# Altium PCB CYAN_EVSE_Logic_board_v1.2.PcbDoc
Units mil, origin at the board's own origin, x right, y up, seen from the top; angles counter-clockwise.
Board outline 2637.8 x 4976.38 mil, 4 copper layers (Top Layer, Layer 1, Layer 2, Bottom Layer), stack 23.756 mil thick; 139 components, 96 nets, 445 pads, 186 vias.
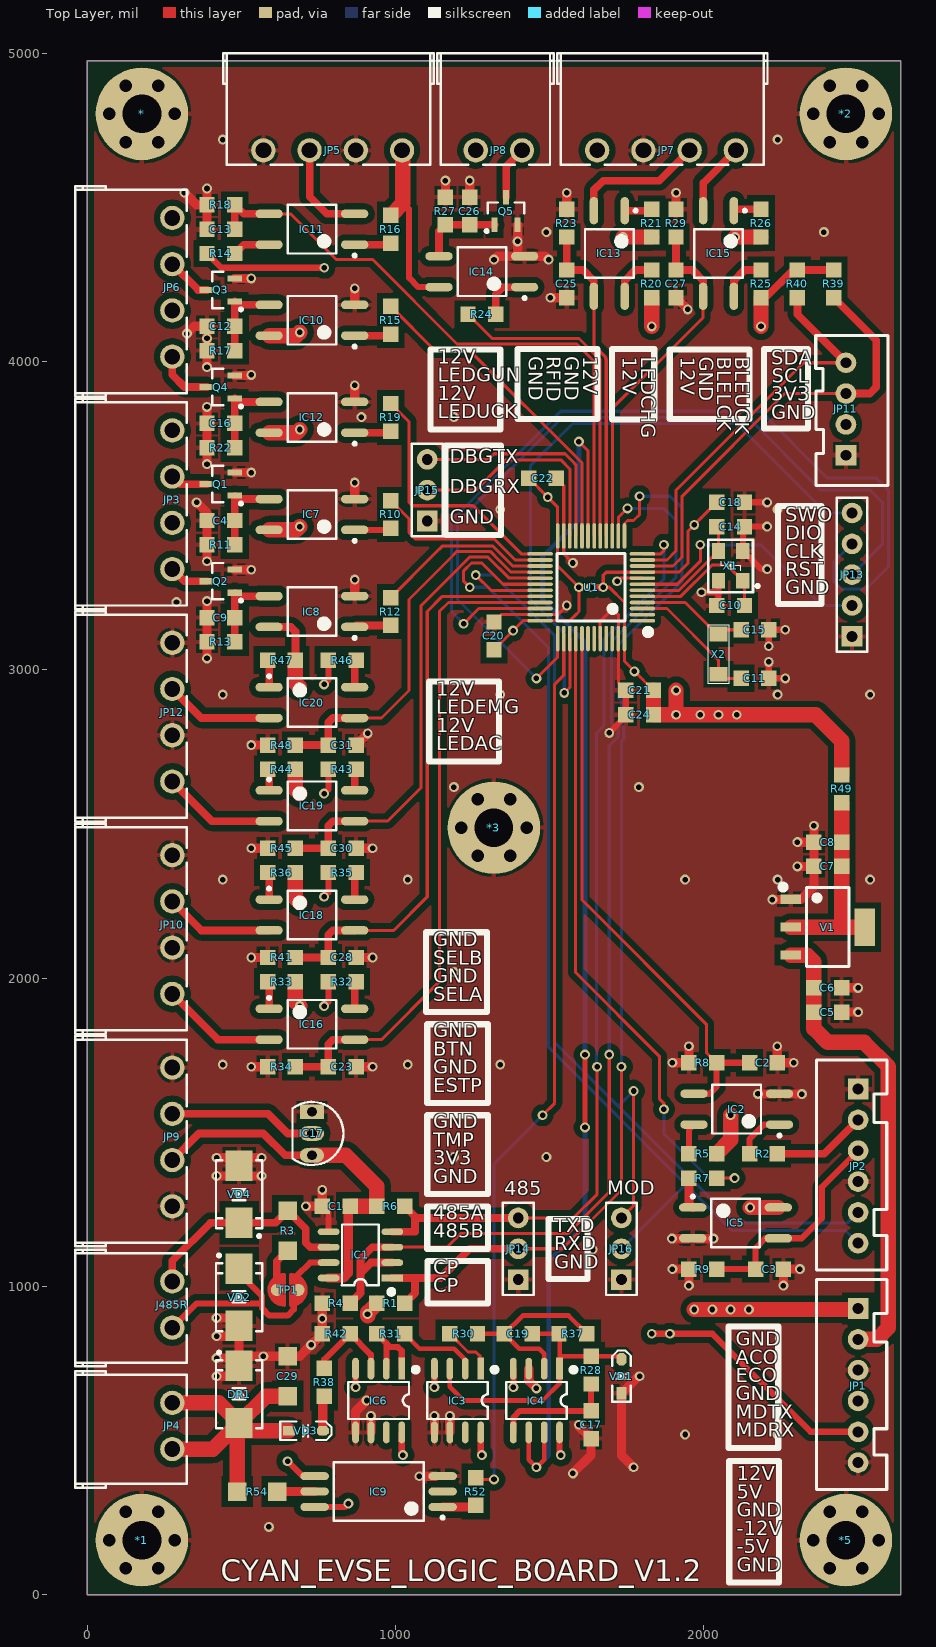
[diagram p0: Top Layer view]
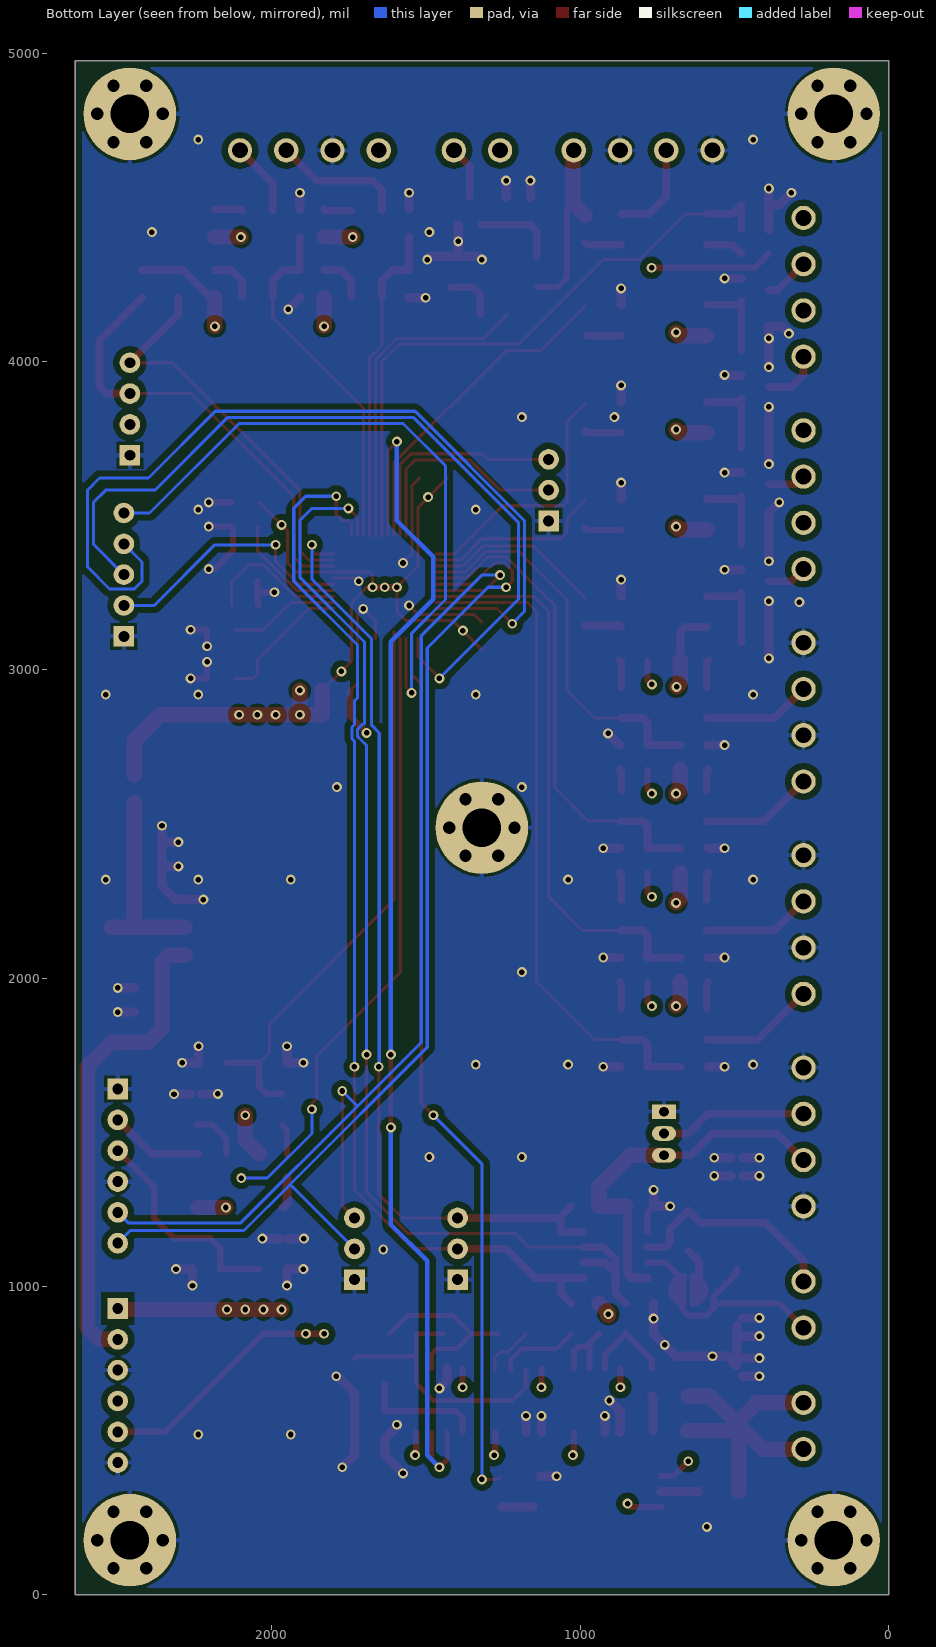
[diagram p1: Bottom Layer view, seen from below]
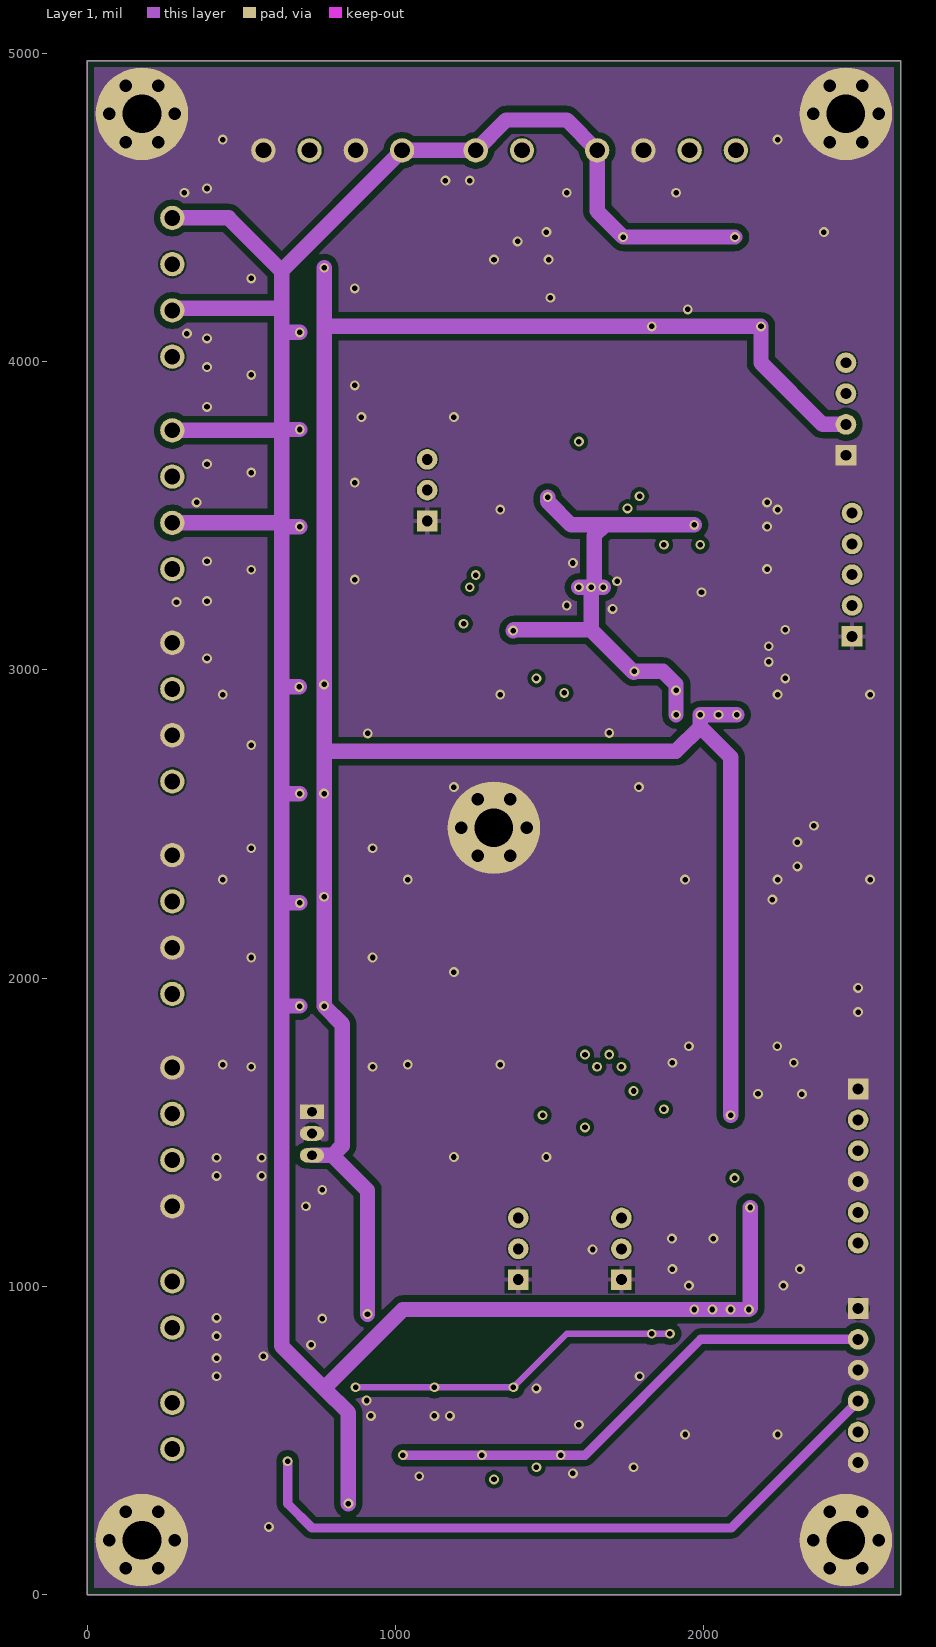
[diagram p2: Layer 1]
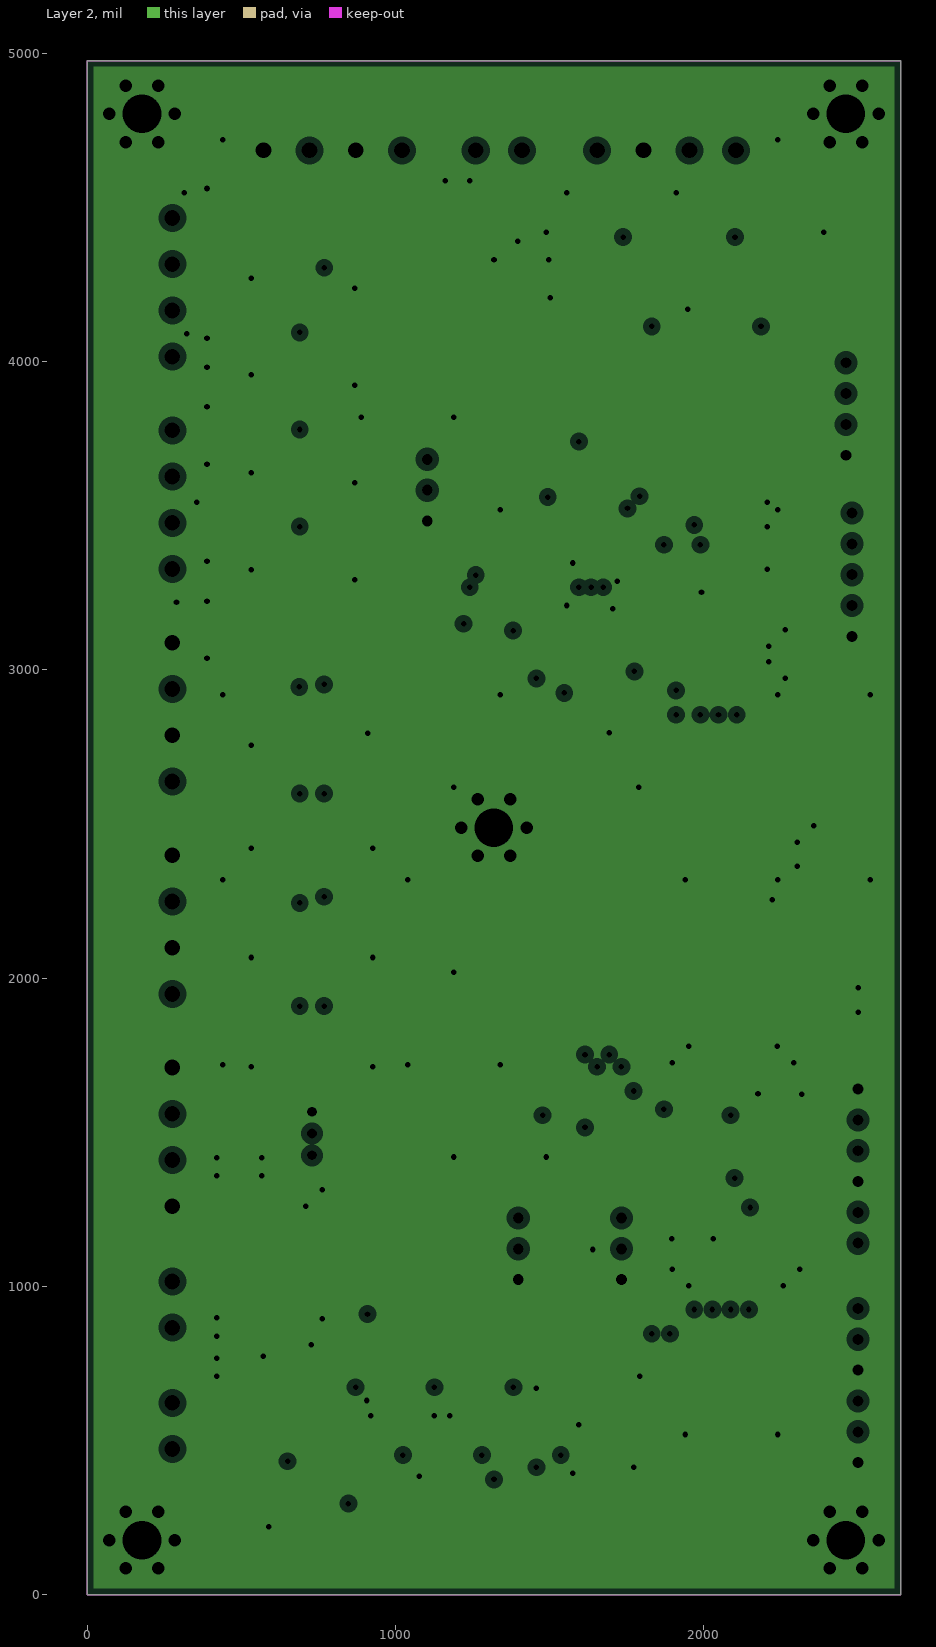
[diagram p3: Layer 2, clearances drawn from the general rule]

## Layer stack, top to bottom
Top Solder: solder mask 0.4, Solder Resist, Dk 3.5
Top Layer: signal copper 1.4
Dielectric 1: prepreg 2.8, PP-006, Dk 4.1
Layer 1: signal copper 1.378
Dielectric1: dielectric 12.6, FR-4, Dk 4.8
Layer 2: plane copper 1.378, net GND
Dielectric 2: prepreg 2.8, PP-006, Dk 4.1
Bottom Layer: signal copper 1.4
Bottom Solder: solder mask 0.4, Solder Resist, Dk 3.5

## Board outline
0,0 0,4976.38 2637.8,4976.38 2637.8,0

## Design rules (kind name [scope] priority, off if disabled: settings)
Clearance [InPolygon] p1: gap=20 ignorepadtopadclearanceinfootprint=TRUE
Clearance Clearance7mil [All] p2: gap=8 ignorepadtopadclearanceinfootprint=TRUE
ComponentClearance [All] p1: gap=0 collisioncheckmode=3 verticalgap=0 showdistances=FALSE
HoleSize [All] p1: absolutevalues=TRUE maxlimit=999 minlimit=1 maxpercent=80.000 minpercent=20.000
HoleToHoleClearance [All] p1: gap=0 allowstackedmicrovias=TRUE
MinimumSolderMaskSliver [All] p1: minsoldermaskwidth=0
PlaneClearance [All] p1: clearance=20
PlaneConnect [All] p1: pad.planeconnectstyle=Relief pad.reliefexpansion=20 pad.reliefentries=4 pad.reliefconductorwidth=15 pad.reliefairgap=10 via.planeconnectstyle=Direct via.reliefexpansion=20 via.reliefentries=4 via.reliefconductorwidth=15 via.reliefairgap=10
PolygonConnect [All] p1: thpad.connectstyle=Relief thpad.reliefconductorwidth=15 thpad.reliefentries=4 thpad.polygonreliefangle="90 Angle" thpad.airgapwidth=10 smdpad.connectstyle=Relief smdpad.reliefconductorwidth=15 smdpad.reliefentries=4 smdpad.polygonreliefangle="90 Angle" smdpad.airgapwidth=10 via.connectstyle=Direct via.reliefconductorwidth=15 via.reliefentries=4 via.polygonreliefangle="90 Angle" via.airgapwidth=10
RoutingVias [All] p1: holewidth=18 width=32 viastyle="Through Hole" minholewidth=12 minwidth=20 maxholewidth=999 maxwidth=999
SilkToSilkClearance [All] p1: silktosilkclearance=0
SilkToSolderMaskClearance SilkscreenOverComponentPads [IsPad] p1: minsilkscreentomaskgap=0 clearancetoexposedcopper=TRUE
SolderMaskExpansion [All] p1: expansion=2 istentingtop=FALSE
Width Width_VCC [All] p1: maxlimit=999 minlimit=6 preferedwidth=8
Width [All] p2: maxlimit=999 minlimit=6 preferedwidth=7
22 further rules are at their usual default settings.

## Components (designator, comment, footprint, x,y, rotation, side; value= is the part's Value field where it differs from the comment)
* "M3" "M3 125X300" 177.17,4803.15 r180 top locked
*1 "M3" "M3 125X300" 177.17,177.17 r180 top locked
*2 "M3" "M3 125X300" 2460.63,4803.15 r180 top locked
*3 "M3" "M3 125X300" 1318.9,2488.19 r180 top locked
*5 "M3" "M3 125X300" 2460.63,177.17 r180 top locked
C1 "C" "C 0805" 807.09,1259.84 r0 top value=100nF
C2 "C" "C 0805" 2192.94,1725.43 r180 top value=100nF
C3 "C" "C 0805" 2212.63,1056.14 r180 top value=100nF
C4 "C" "C 0805" 433.07,3484.25 r0 top value=100nF
C5 "C" "C 0805" 2401.57,1889.76 r180 top value=100nF
C6 "C" "C 0805" 2401.57,1968.5 r0 top value=1uF
C7 "C" "C 0805" 2401.57,2362.2 r180 top value=1uF
C8 "C" "C 0805" 2401.57,2440.94 r0 top value=100nF
C9 "C" "C 0805" 433.07,3169.29 r0 top value=100nF
C10 "C" "C 0805" 2086.61,3208.66 r180 top value=22pF
C11 "C" "C 0805" 2165.35,2972.44 r180 top value=8.2pF
C12 "C" "C 0805" 433.07,4114.17 r0 top value=100nF
C13 "C" "C 0805" 433.07,4429.13 r0 top value=100nF
C14 "C" "C 0805" 2086.61,3464.57 r0 top value=22pF
C15 "C" "C 0805" 2165.35,3129.92 r180 top value=8.2pF
C16 "C" "C 0805" 433.07,3799.21 r0 top value=100nF
C17 "C" "C 0805" 1633.86,551.18 r270 top value=100nF
C18 "C" "C 0805" 2086.61,3543.31 r180 top value=100nF
C19 "C" "C 0805" 1397.64,846.46 r180 top value=100nF
C20 "C" "C 0805" 1318.9,3110.24 r270 top value=100nF
C21 "C" "C 0805" 1791.34,2933.07 r0 top value=100nF
C22 "C" "C 0805" 1476.38,3622.05 r180 top value=100nF
C23 "C" "C 0805" 826.77,1712.6 r180 top value=100nF
C24 "C" "C 0805" 1791.34,2854.33 r180 top value=1uF
C25 "C" "C 0805" 1555.12,4251.97 r90 top value=100nF
C26 "C" "C 0805" 1240.16,4488.19 r270 top value=100nF
C27 "C" "C 0805" 1909.45,4251.97 r90 top value=100nF
C28 "C" "C 0805" 826.77,2066.93 r180 top value=100nF
C29 "C" "C 1206" 649.61,708.66 r270 top value=3.3nF
C30 "C" "C 0805" 826.77,2421.26 r180 top value=100nF
C31 "C" "C 0805" 826.77,2755.91 r180 top value=100nF
DR1 "SMBJ16CA" SMB 492.13,649.61 r90 top
IC1 "MAX3485" SOP8_N 885.83,1102.36 r180 top
IC2 "TLP187" SOP6_4.6MM_W1.27_4PIN_N 2106.3,1574.8 r180 top
IC3 "TLC372" SOP8_N 1200.79,629.92 r270 top
IC4 "LMV358" SOP8_N 1456.69,629.92 r270 top
IC5 "TLP187" SOP6_4.6MM_W1.27_4PIN_N 2102.43,1205.98 r0 top
IC6 "LMV358" SOP8_N 944.88,629.92 r270 top
IC7 "TLP187" SOP6_4.6MM_W1.27_4PIN_N 728.35,3503.94 r180 top
IC8 "TLP187" SOP6_4.6MM_W1.27_4PIN_N 728.35,3188.98 r180 top
IC9 "FOD8314" SOP6_7MM_WIDE_LEAD_N 944.88,334.65 r180 top
IC10 "TLP187" SOP6_4.6MM_W1.27_4PIN_N 728.35,4133.86 r180 top
IC11 "TLP187" SOP6_4.6MM_W1.27_4PIN_N 728.35,4429.13 r180 top
IC12 "TLP187" SOP6_4.6MM_W1.27_4PIN_N 728.35,3818.9 r180 top
IC13 "TLP187" SOP6_4.6MM_W1.27_4PIN_N 1692.91,4350.39 r270 top
IC14 "TLP187" SOP6_4.6MM_W1.27_4PIN_N 1279.53,4291.34 r180 top
IC15 "TLP187" SOP6_4.6MM_W1.27_4PIN_N 2047.24,4350.39 r270 top
IC16 "TLP187" SOP6_4.6MM_W1.27_4PIN_N 728.35,1850.39 r0 top
IC17 "DS18B20" TO92A 728.35,1496.06 r180 top
IC18 "TLP187" SOP6_4.6MM_W1.27_4PIN_N 728.35,2204.72 r0 top
IC19 "TLP187" SOP6_4.6MM_W1.27_4PIN_N 728.35,2559.06 r0 top
IC20 "TLP187" SOP6_4.6MM_W1.27_4PIN_N 728.35,2893.7 r0 top
J485R "HDR-1X2" "MC 1,5/ 2-G-3,81" 275.59,1016.14 r270 top
JP1 "HDR-1X6" XH2.54-6P 2500,928.35 r270 top locked
JP2 "HDR-1X6" XH2.54-6P 2500,1640.16 r270 top locked
JP3 "HDR-1X4" "MC 1,5/ 4-G-3,81" 275.59,3776.77 r270 top
JP4 "HDR-1X2" "MC 1,5/ 2-G-3,81" 275.59,622.44 r270 top
JP5 "HDR-1X4" "MC 1,5/ 4-G-3,81" 1020.87,4685.04 r180 top
JP6 "HDR-1X4" "MC 1,5/ 4-G-3,81" 275.59,4465.75 r270 top
JP7 "HDR-1X4" "MC 1,5/ 4-G-3,81" 2103.54,4685.04 r180 top
JP8 "HDR-1X2" "MC 1,5/ 2-G-3,81" 1409.84,4685.04 r180 top
JP9 "HDR-1X4" "MC 1,5/ 4-G-3,81" 275.59,1709.84 r270 top
JP10 "HDR-1X4" "MC 1,5/ 4-G-3,81" 275.59,2398.82 r270 top
JP11 "HDR-1X4" XH2.54-4P 2460.63,3696.06 r90 top
JP12 "HDR-1X4" "MC 1,5/ 4-G-3,81" 275.59,3087.8 r270 top
JP13 "HDR-1X5" HDR-1X5 2480.31,3108.66 r90 top
JP14 "HDR-1X3" HDR-1X3 1397.64,1022.05 r90 top
JP15 "HDR-1X3" HDR-1X3 1102.36,3482.68 r90 top
JP16 "HDR-1X3" HDR-1X3 1732.28,1022.05 r90 top
Q1 "SI2302" SOT23-3N 433.07,3602.36 r90 top
Q2 "SI2302" SOT23-3N 433.07,3287.4 r90 top
Q3 "SI2302" SOT23-3N 433.07,4232.28 r90 top
Q4 "SI2302" SOT23-3N 433.07,3917.32 r90 top
Q5 "SI2302" SOT23-3N 1358.27,4488.19 r0 top
R1 "R" "R 0805" 984.25,944.88 r180 top value=10K
R2 "R" "R 0805" 2192.94,1430.16 r0 top value=4.7K
R3 "R" "R 1206" 649.61,1181.1 r90 top value=120
R4 "R" "R 0805" 807.09,944.88 r0 top value=10K
R5 "R" "R 0805" 1996.09,1430.16 r0 top value=10K
R6 "R" "R 0805" 984.25,1259.84 r180 top value=10K
R7 "R" "R 0805" 1996.09,1351.42 r0 top value=1K
R8 "R" "R 0805" 1996.09,1725.43 r0 top value=1M
R9 "R" "R 0805" 1996.09,1056.14 r0 top value=1M
R10 "R" "R 0805" 984.25,3503.94 r90 top value=1K
R11 "R" "R 0805" 433.07,3405.51 r0 top value=1M
R12 "R" "R 0805" 984.25,3188.98 r90 top value=1K
R13 "R" "R 0805" 433.07,3090.55 r0 top value=1M
R14 "R" "R 0805" 433.07,4350.39 r180 top value=100
R15 "R" "R 0805" 984.25,4133.86 r90 top value=1K
R16 "R" "R 0805" 984.25,4429.13 r90 top value=4.7K
R17 "R" "R 0805" 433.07,4035.43 r0 top value=1M
R18 "R" "R 0805" 433.07,4507.87 r0 top value=1M
R19 "R" "R 0805" 984.25,3818.9 r90 top value=1K
R20 "R" "R 0805" 1830.71,4251.97 r270 top value=100
R21 "R" "R 0805" 1830.71,4448.82 r270 top value=4.7K
R22 "R" "R 0805" 433.07,3720.47 r0 top value=1M
R23 "R" "R 0805" 1555.12,4448.82 r270 top value=1M
R24 "R" "R 0805" 1279.53,4153.54 r180 top value=1K
R25 "R" "R 0805" 2185.04,4251.97 r270 top value=100
R26 "R" "R 0805" 2185.04,4448.82 r270 top value=4.7K
R27 "R" "R 0805" 1161.42,4488.19 r270 top value=1M
R28 "R" "R 0805" 1633.86,728.35 r270 top value=100K
R29 "R" "R 0805" 1909.45,4448.82 r270 top value=1M
R30 "R" "R 0805" 1220.47,846.46 r0 top value=1k
R31 "R" "R 0805" 984.25,846.46 r0 top value=0
R32 "R" "R 0805" 826.77,1988.19 r180 top value=100
R33 "R" "R 0805" 629.92,1988.19 r0 top value=4.7K
R34 "R" "R 0805" 629.92,1712.6 r0 top value=1M
R35 "R" "R 0805" 826.77,2342.52 r180 top value=100
R36 "R" "R 0805" 629.92,2342.52 r0 top value=4.7K
R37 "R" "R 0805" 1574.8,846.46 r180 top value=100K
R38 "R" "R 0805" 767.72,688.98 r270 top value=150K
R39 "R" "R 0805" 2421.26,4251.97 r270 top value=4.7K
R40 "R" "R 0805" 2303.15,4251.97 r270 top value=4.7K
R41 "R" "R 0805" 629.92,2066.93 r0 top value=1M
R42 "R" "R 0805" 807.09,846.46 r0 top value=39K
R43 "R" "R 0805" 826.77,2677.17 r180 top value=100
R44 "R" "R 0805" 629.92,2677.17 r0 top value=4.7K
R45 "R" "R 0805" 629.92,2421.26 r0 top value=1M
R46 "R" "R 0805" 826.77,3031.5 r180 top value=100
R47 "R" "R 0805" 629.92,3031.5 r0 top value=4.7K
R48 "R" "R 0805" 629.92,2755.91 r0 top value=1M
R49 "R" "R 0805" 2446.58,2613.83 r90 top value=0
R52 "R" "R 0805" 1259.84,334.65 r270 top value=180
R54 "R" "R 1206" 551.18,334.65 r0 top value=1K
TP1 "DEBUG PAD" "DEBUG PAD2" 649.61,988.62 r0 top
U1 "STM32F103C8T6" "LQFP48 7X7_M" 1633.86,3267.72 r90 top
V1 "AMS1117-3V3" SOT223_L 2401.57,2165.35 r270 top
VD1 "1N4148" SOD-323 1732.28,708.66 r90 top
VD2 "SMBJ6.8CA" SMB 492.13,964.57 r90 top
VD3 "1N4148" SOD-323 708.66,531.5 r0 top
VD4 "SMBJ6.8CA" SMB 492.13,1299.21 r270 top
X1 "8M" XTAL-3225 2124.24,3291.83 r180 top
X2 "32.768khz 6pF" XTAL-3215 2047.24,3051.18 r270 top

## Footprints (in the part's own frame and the unit in brackets; to place one, negate y for a bottom-side part, rotate by r counter-clockwise, add the part's x,y. Pads: shape width x height; smd on the part's side, far side on the other; paste and mask are expansions set on the pad)
"C 0805" [mil] "无极性贴片电容"
  rect 50x50 smd: 1(-45,0) 2(45,0)
  body extent -39,-24 39,24, height 20
"C 1206" [mil] "无极性贴片电容"
  rect 60x60 smd: 1(-65,0) 2(65,0)
  body extent -63,-32 63,32, height 48
"DEBUG PAD2" [mm] "调试断点焊盘"
  round 1 smd: 1(-0.889,0) 2(0.889,0)
  Top Layer region: -0.254,1.27 -0.254,-1.27 -0.762,-1.143 -1.397,-0.508 -1.524,0.254 -1.27,0.762 -1.016,1.016 -0.508,1.27
  Top Layer region: 0.254,1.27 0.254,-1.27 0.762,-1.143 1.397,-0.508 1.524,0.254 1.27,0.762 1.016,1.016 0.508,1.27
  Top Layer lines w0.254: -0.254,-1.27 cw(c-0.254,0) -0.889,1.1 cw(c-0.254,0) -0.254,1.27 ; -0.254,-1.27 cw(c-0.254,0) -0.254,1.27 ; -0.254,-1.27 -0.254,1.27 ; -0.254,-1.27 -0.254,1.27 ; 0.254,-1.27 ccw(c0.254,0) 0.254,1.27 ; 0.254,-1.27 ccw(c0.254,0) 0.5,-1.246 ccw(c0.254,0) 0.771,1.16 ccw(c0.254,0) 0.254,1.27 ; 0.254,-1.27 0.254,1.27 ; 0.254,-1.27 0.254,1.27
HDR-1X3 [mm] "排针，3脚"
  rect 1.7x1.7 hole 0.9: 1(0,0)
  round 1.7 hole 0.9: 2(2.54,0) 3(5.08,0)
  silkscreen extent -1.27,-1.27 6.35,1.27, body extent -1.27,-1.27 6.35,1.27, height 8.5
HDR-1X5 [mm] "排针，5脚"
  rect 1.7x1.7 hole 0.9: 1(0,0)
  round 1.7 hole 0.9: 2(2.54,0) 3(5.08,0) 4(7.62,0) 5(10.16,0)
  silkscreen extent -1.27,-1.27 11.43,1.27, body extent -1.27,-1.27 11.43,1.27, height 8.5
"LQFP48 7X7_M" [mm] "48脚，体宽7x7mm，脚距0.5mm"
  oval 0.3x2.1 smd: 1(-2.75,-4.227) 2(-2.25,-4.227) 3(-1.75,-4.227) 4(-1.25,-4.227) 5(-0.75,-4.227) 6(-0.25,-4.227) 7(0.25,-4.227) 8(0.75,-4.227) 9(1.25,-4.227) 10(1.75,-4.227) 11(2.25,-4.227) 12(2.75,-4.227) 25(2.75,4.202) 26(2.25,4.202) 27(1.75,4.202) 28(1.25,4.202) 29(0.75,4.202) 30(0.25,4.202) 31(-0.25,4.202) 32(-0.75,4.202) 33(-1.25,4.202) 34(-1.75,4.202) 35(-2.25,4.202) 36(-2.75,4.202)
  oval 2.1x0.3 smd: 13(4.227,-2.75) 14(4.227,-2.25) 15(4.227,-1.75) 16(4.227,-1.25) 17(4.227,-0.75) 18(4.227,-0.25) 19(4.227,0.25) 20(4.227,0.75) 21(4.227,1.25) 22(4.227,1.75) 23(4.227,2.25) 24(4.227,2.75) 37(-4.227,2.75) 38(-4.227,2.25) 39(-4.227,1.75) 40(-4.227,1.25) 41(-4.227,0.75) 42(-4.227,0.25) 43(-4.227,-0.25) 44(-4.227,-0.75) 45(-4.227,-1.25) 46(-4.227,-1.75) 47(-4.227,-2.25) 48(-4.227,-2.75)
  silkscreen extent -3.93,-4.95 2.79,2.79, body extent -4.5,-4.5 4.5,4.5, height 1.45
"M3 125X300" [mil] "M3螺丝孔，孔125Mil，焊盘300Mil"
  round 40 hole 40: 0(-106,0) 0(-53,91.8) 0(-53,-91.8) 0(53,91.8) 0(53,-91.8) 0(106,0)
  round 300 hole 125: 0(0,0)
"MC 1,5/ 2-G-3,81" [mm] "10A 300 V, Pitch 3.81mm, 2 Positions PCB Right Angle Male Header, BC/SC 3.81 Serie"
  round 2 hole 1.3: 1(0,0) 2(3.81,0)
  silkscreen extent -2.6,-7.99 6.98,1.2, body extent -2.35,-17.45 6.66,1.4, height 8.3
"MC 1,5/ 4-G-3,81" [mm] "10A 300 V, Pitch 3.81mm, 4 Positions PCB Right Angle Male Header, BC/SC 3.81 Serie"
  round 2 hole 1.3: 1(0,0) 2(3.81,0) 3(7.62,0) 4(11.43,0)
  silkscreen extent -2.6,-7.99 14.73,1.2, body extent -2.35,-16.76 14.28,1.4, height 8.3
"R 0805" [mil] "1/8W贴片电阻"
  rect 50x50 smd: 1(-45,0) 2(45,0)
  body extent -39,-25 39,25, height 20
"R 1206" [mil] "1/4W贴片电阻"
  rect 60x60 smd: 1(-65,0) 2(65,0)
  body extent -63,-31 63,32, height 22
SMB [mm] "4.7*3.9*2.2mm(长宽高，不包括引脚）"
  rect 2.5x2.2 smd: 1(-2.35,0) 2(2.35,0)
  silkscreen extent -2.8,-1.9 3.57,1.9, body extent -2.63,-1.8 2.67,1.8, height 2.35
SOD-323 [mm] "1.8x1.3X0.9mm（长宽高，不包括引脚）"
  rect 1x0.8 smd: 1(-1.4,0)
  oct 1x0.8 smd: 2(1.4,0)
  silkscreen extent -2.11,-0.76 2.11,0.76, body extent -1.34,-0.63 1.31,0.67, height 1
SOP6_4.6MM_W1.27_4PIN_N [mm]
  oval 2.25x0.7 smd: 1(-3.525,1.27) 2(-3.525,-1.27) 3(3.525,-1.27) 4(3.525,1.27)
  silkscreen extent -3.65,-2 2,2.29, body extent -3.5,-2 3.5,2, height 2.3
SOP6_7MM_WIDE_LEAD_N [mm]
  oval 2.35x0.65 smd: 1(-5.275,1.27) 2(-5.275,0) 3(-5.275,-1.27) 4(5.275,-1.27) 5(5.275,0) 6(5.275,1.27)
  silkscreen extent -5.4,-2.4 3.7,2.4, body extent -5.75,-2.4 5.75,2.4, height 3.78
SOP8_N [mm] "5*6*1.8mm（长宽高）"
  rect 1.8x0.55 smd: 1(-2.625,1.905)
  oval 1.8x0.55 smd: 2(-2.625,0.635) 3(-2.625,-0.635) 4(-2.625,-1.905) 5(2.625,-1.905) 6(2.625,-0.635) 7(2.625,0.635) 8(2.625,1.905)
  silkscreen extent -2.69,-2.5 1.52,3.2, body extent -3,-2.5 3,2.5, height 1.9
SOT23-3N [mm] "3x1.3x1mm(长宽高)"
  rect 0.5x1.2 smd: 1(-0.95,-1.143) 2(0.95,-1.143) 3(0,1.143)
  silkscreen extent -1.72,-1.78 1.5,0.7, body extent -1.5,-1.2 1.5,1.2, height 1.05
SOT223_L [mm] "6.4x7x1.6mm(长宽高)"
  rect 0.75x1.7 smd: 1(-2.3,-3.048) 2(0,-3.048) 3(2.3,-3.048)
  rect 3.1x1.7 smd: 2(0,3.048)
  silkscreen extent -3.5,-3.88 3.25,1.75, body extent -3.25,-3.51 3.25,3.51, height 1.65
TO92A [mm] "92晶体管"
  rect 2x1.2 hole 0.8: 1(0,-1.8)
  oval 2x1.2 hole 0.8: 2(0,0) 3(0,1.8)
  silkscreen extent -2.6,-2.6 1.6,2.6, body extent -2.3,-2.3 1.3,2.3, height 7.6
XH2.54-4P [mm] "接插件，4P"
  rect 1.7x1.7 hole 0.9: 1(0,0)
  round 1.7 hole 0.9: 2(2.54,0) 3(5.08,0) 4(7.62,0)
  silkscreen extent -2.49,-3.45 9.88,2.49, body extent -2.5,-3.3 10.12,2.4, height 7.03
XH2.54-6P [mm] "接插件，6P"
  rect 1.7x1.7 hole 0.9: 1(0,0)
  round 1.7 hole 0.9: 2(2.54,0) 3(5.08,0) 4(7.62,0) 5(10.16,0) 6(12.7,0)
  silkscreen extent -2.39,-3.43 14.91,2.39, body extent -2.5,-3.3 15.2,2.4, height 7.03
XTAL-3215 [mm]
  rect 1.2x1.5 smd: 1(-1.65,0) 2(1.65,0)
  silkscreen extent -2.41,-0.89 2.41,0.89, body extent -1.6,-0.75 1.6,0.75, height 0.81
XTAL-3225 [mil]
  rect 43.31x51.18 smd: 1(-2,3) 2(-2,-94) 3(77,-94) 4(77,3)
  silkscreen extent -55,-130 110,40, body extent -13,-108 85,18, height 31

## Part data
* *1 *2 *3 *5: "铜柱孔"
C1 C2 C3 C4 C5 C8 C9 C10 C11 C12 C13 C14 C15 C16 C17 C18 C19 C20 C21 C22 C23 C25 C26 C27 C28 C30 C31: "无极性贴片电容", Voltage=20V
C6 C7 C24: "无极性贴片电容"
C29: "无极性贴片电容", Voltage=50V
DR1: library part DR, "瞬态电压抑制二极管"
IC1: library part MAX487, "RS485总线收发芯片"
IC2 IC5 IC7 IC8 IC10 IC11 IC12 IC13 IC14 IC15 IC16 IC18 IC19 IC20: "达林顿输出光耦"
IC3: "双路电压比较,MOS下臂输出"
IC4 IC6: library part LM358, "双路运放"
IC9: "MOSFET/IGBT 驱动光耦，15-30v 1a"
IC17: "数字温度计"
J485R JP4 JP8: library part "Header 2", "2P接插件"
JP1 JP2: library part "Header 6", "6P接插件"
JP3 JP5 JP6 JP7 JP9 JP10 JP11 JP12: library part "Header 4", "4P接插件"
JP13: library part "Header 5", "5P接插件"
JP14 JP15 JP16: library part "Header 3", "3P接插件"
Q1 Q2 Q3 Q4 Q5: "N沟道场效应管"
R1 R2 R3 R4 R5 R6 R7 R8 R9 R10 R11 R12 R13 R14 R15 R16 R17 R18 R19 R20 R21 R22 R23 R24 R25 R26 R27 R28 R29 R30 R31 R32 R33 R34 R35 R36 R37 R38 R39 R40 R41 R42 R43 R44 R45 R46 R47 R48 R49 R52 R54: "贴片电阻"
TP1: library part DEBUG, "调试断点焊盘"
U1: "Flaah:64/RAM:20/IO:36"
V1: library part AMS1117, "三端稳压芯片"
VD1 VD3: "高速开关二极管"
VD2 VD4: library part SS14, "肖特基二极管"
X1: library part XTAL-4, "4脚晶振"
X2: library part XTAL-2, "2脚晶振"

## Via types
v1: diameter 32, hole 18, Top Layer to Bottom Layer, tented both sides, 186 vias